# KiCad board power-module-simple-panel.kicad_pcb (continued)
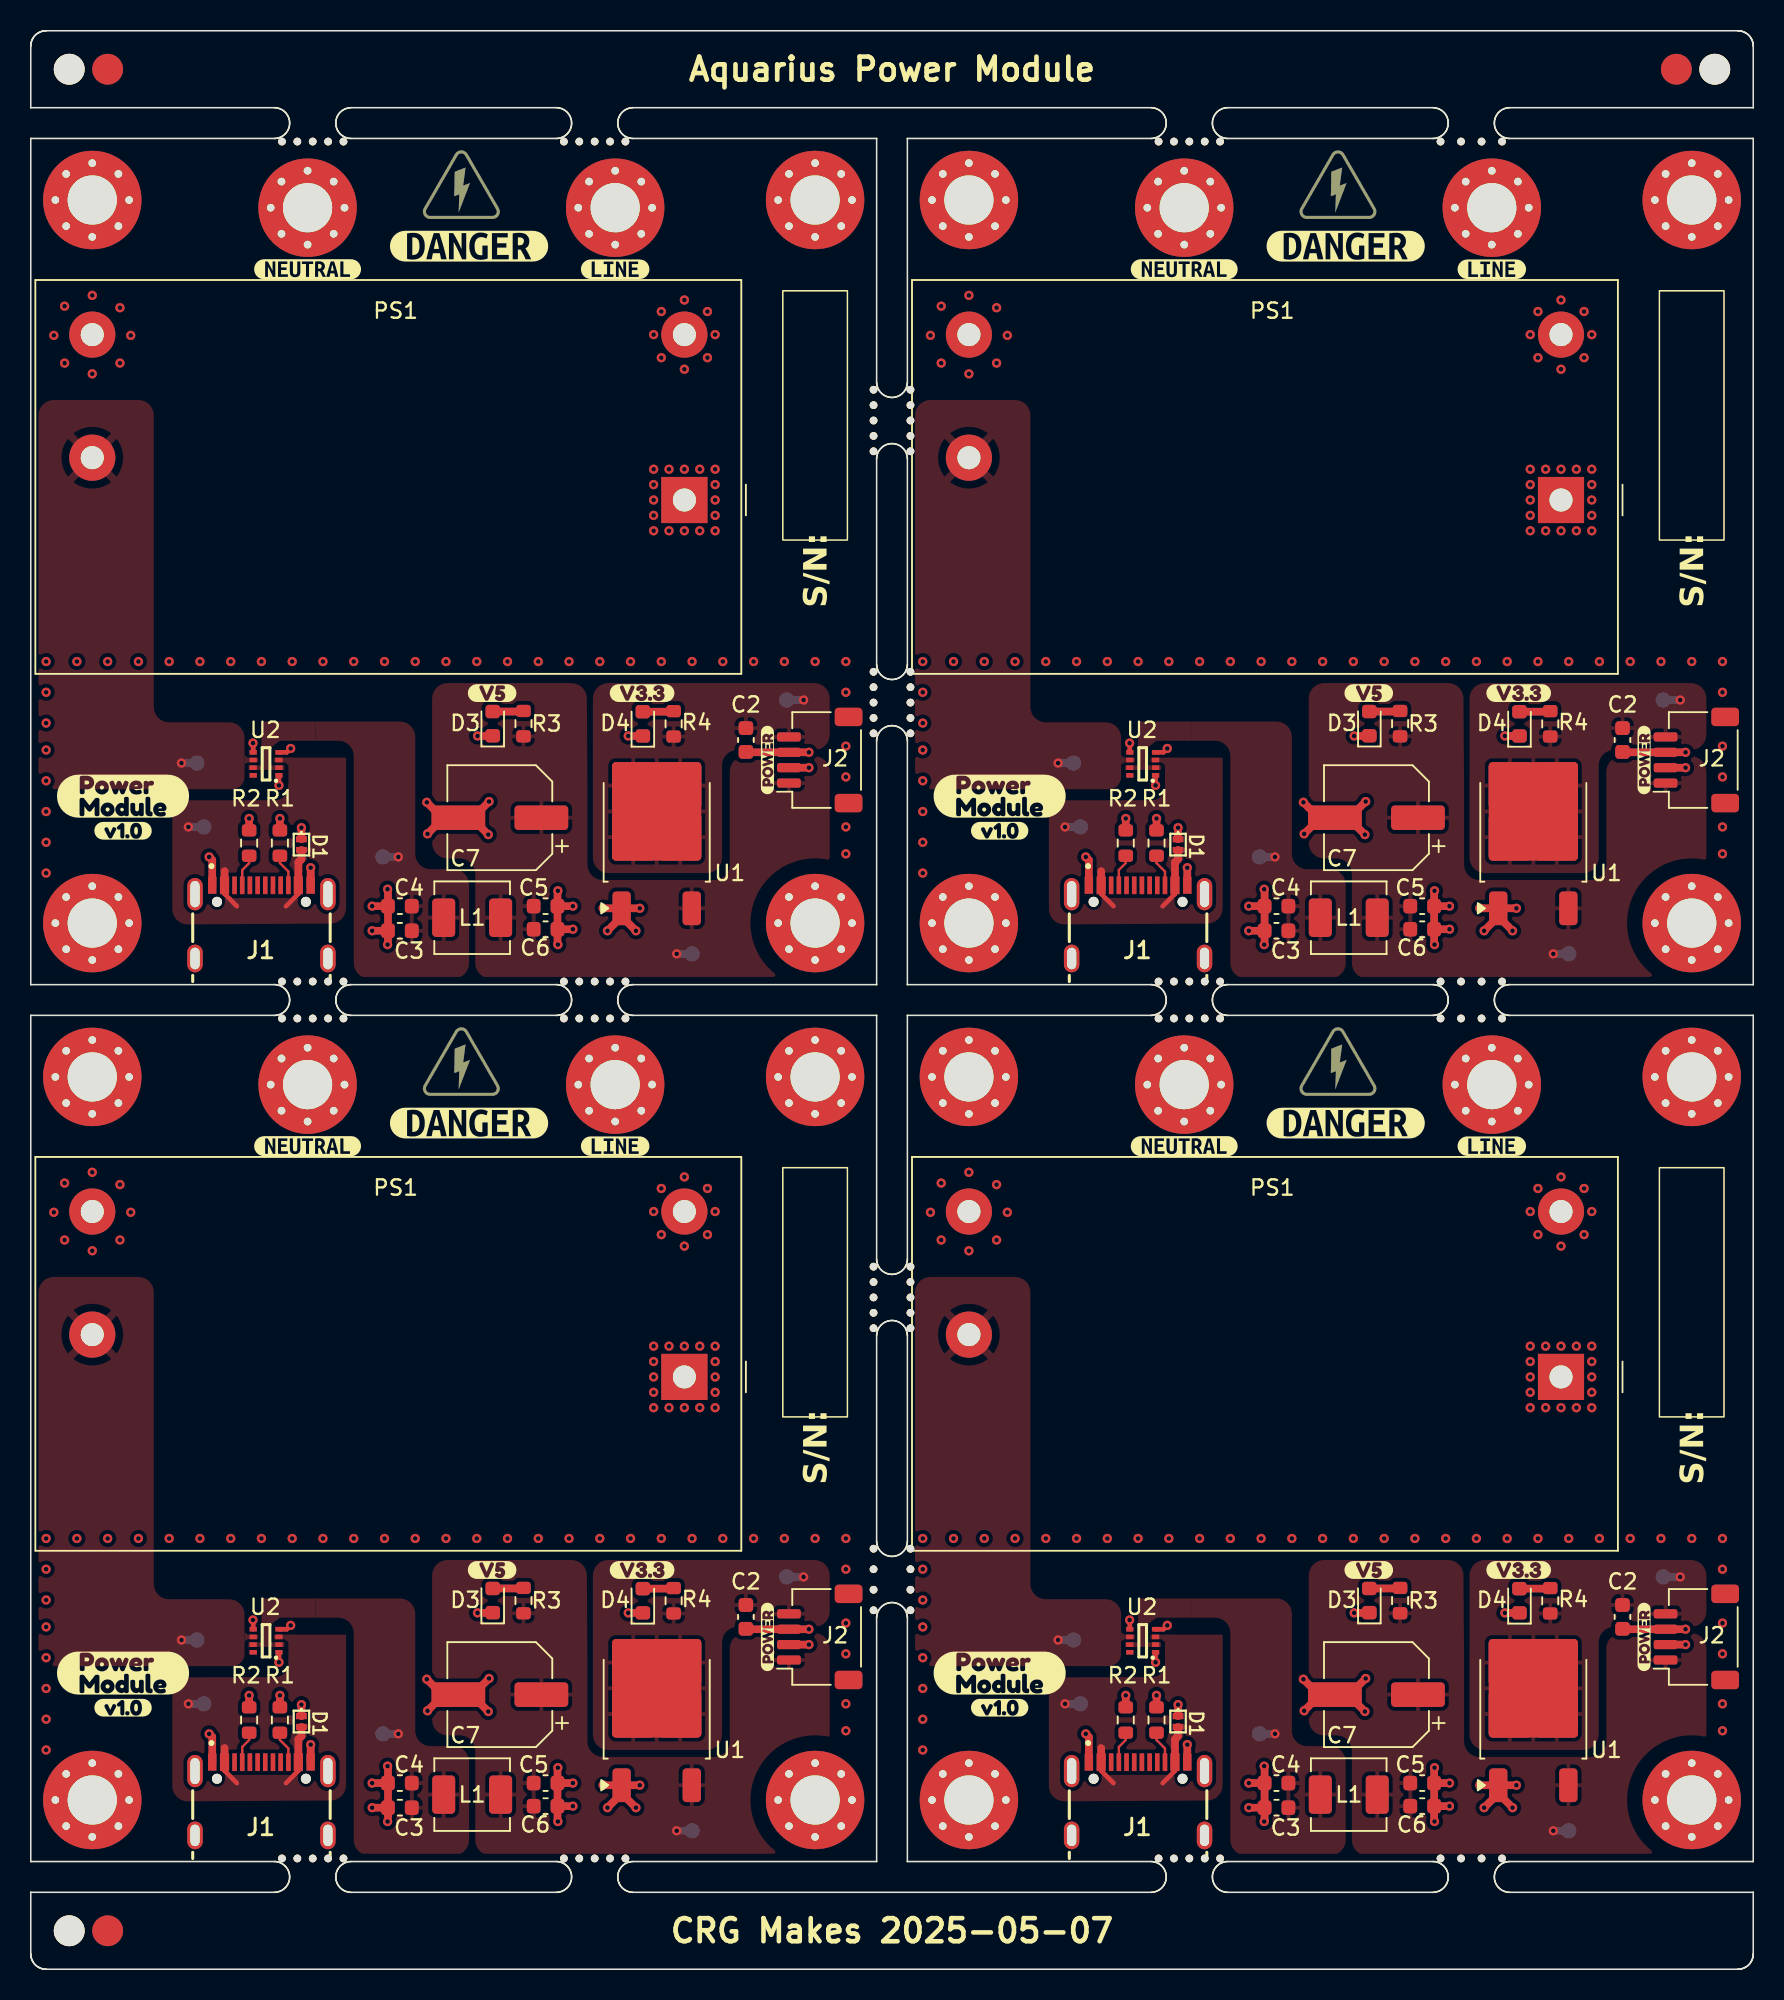
[diagram p0: board, top side]
## Placement (name value [footprint] x y rotation side) (continued)
LOGO1#2  ~  [FNWW Face 10mm]  33.35 37.76 180 bottom
LOGO1#3  ~  [FNWW Face 10mm]  33.35 94.76 180 bottom
LOGO1#4  ~  [FNWW Face 10mm]  90.35 37.76 180 bottom
LOGO2  Logo_Open_Hardware_Small  [OSHW-Logo_5.7x6mm_SilkScreen]  10 88.25 180 bottom
LOGO2#2  Logo_Open_Hardware_Small  [OSHW-Logo_5.7x6mm_SilkScreen]  10 31.25 180 bottom
LOGO2#3  Logo_Open_Hardware_Small  [OSHW-Logo_5.7x6mm_SilkScreen]  67 88.25 180 bottom
LOGO2#4  Logo_Open_Hardware_Small  [OSHW-Logo_5.7x6mm_SilkScreen]  67 31.25 180 bottom
LOGO3  ~  [Aquarius Logo 10mm]  80.01 37.32 180 bottom
LOGO3#2  ~  [Aquarius Logo 10mm]  23.01 37.32 180 bottom
LOGO3#3  ~  [Aquarius Logo 10mm]  23.01 94.32 180 bottom
LOGO3#4  ~  [Aquarius Logo 10mm]  80.01 94.32 180 bottom
PS1  IRM-10-5  [Converter_ACDC_MeanWell_IRM-10-xx_THT]  42.5 95.5 180 top
PS1#2  IRM-10-5  [Converter_ACDC_MeanWell_IRM-10-xx_THT]  42.5 38.5 180 top
PS1#3  IRM-10-5  [Converter_ACDC_MeanWell_IRM-10-xx_THT]  99.5 95.5 180 top
PS1#4  IRM-10-5  [Converter_ACDC_MeanWell_IRM-10-xx_THT]  99.5 38.5 180 top
R1  5.1K  [R_0603_1608Metric]  73.2 73.2 90 top
R1#2  5.1K  [R_0603_1608Metric]  73.2 16.2 90 top
R1#3  5.1K  [R_0603_1608Metric]  16.2 16.2 90 top
R1#4  5.1K  [R_0603_1608Metric]  16.2 73.2 90 top
R2  5.1K  [R_0603_1608Metric]  14.2 16.2 90 top
R2#2  5.1K  [R_0603_1608Metric]  71.2 16.2 90 top
R2#3  5.1K  [R_0603_1608Metric]  71.2 73.2 90 top
R2#4  5.1K  [R_0603_1608Metric]  14.2 73.2 90 top
R3  4.7k  [R_0603_1608Metric]  32.04 80.96 90 top
R3#2  4.7k  [R_0603_1608Metric]  89.04 80.96 90 top
R3#3  4.7k  [R_0603_1608Metric]  32.04 23.96 90 top
R3#4  4.7k  [R_0603_1608Metric]  89.04 23.96 90 top
R4  1k  [R_0603_1608Metric]  98.8 80.95 90 top
R4#2  1k  [R_0603_1608Metric]  41.8 80.95 90 top
R4#3  1k  [R_0603_1608Metric]  98.8 23.95 90 top
R4#4  1k  [R_0603_1608Metric]  41.8 23.95 90 top
S1  ~  [HIGH-VOLTAGE-5MM]  28 59 180 bottom
S1#2  ~  [HIGH-VOLTAGE-5MM]  28 116 180 bottom
S1#3  ~  [HIGH-VOLTAGE-5MM]  85 59 180 bottom
S1#4  ~  [HIGH-VOLTAGE-5MM]  85 116 180 bottom
S2  ~  [HIGH-VOLTAGE-5MM]  85 59 0 top
S2#2  ~  [HIGH-VOLTAGE-5MM]  28 116 0 top
S2#3  ~  [HIGH-VOLTAGE-5MM]  28 59 0 top
S2#4  ~  [HIGH-VOLTAGE-5MM]  85 116 0 top
TP1  V5  [TestPoint_Pad_D1.0mm]  43 66 180 bottom
TP1#2  V5  [TestPoint_Pad_D1.0mm]  100 9 180 bottom
TP1#3  V5  [TestPoint_Pad_D1.0mm]  43 9 180 bottom
TP1#4  V5  [TestPoint_Pad_D1.0mm]  100 66 180 bottom
TP2  RAW_5V  [TestPoint_Pad_D1.0mm]  22.9 72.3 180 bottom
TP2#2  RAW_5V  [TestPoint_Pad_D1.0mm]  79.9 15.3 180 bottom
TP2#3  RAW_5V  [TestPoint_Pad_D1.0mm]  22.9 15.3 180 bottom
TP2#4  RAW_5V  [TestPoint_Pad_D1.0mm]  79.9 72.3 180 bottom
TP3  V33  [TestPoint_Pad_D1.0mm]  49.15 82.5 180 bottom
TP3#2  V33  [TestPoint_Pad_D1.0mm]  49.15 25.5 180 bottom
TP3#3  V33  [TestPoint_Pad_D1.0mm]  106.15 82.5 180 bottom
TP3#4  V33  [TestPoint_Pad_D1.0mm]  106.15 25.5 180 bottom
TP4  LINE_5V  [TestPoint_Pad_D1.0mm]  67.8 21.4 180 bottom
TP4#2  LINE_5V  [TestPoint_Pad_D1.0mm]  10.8 21.4 180 bottom
TP4#3  LINE_5V  [TestPoint_Pad_D1.0mm]  10.8 78.4 180 bottom
TP4#4  LINE_5V  [TestPoint_Pad_D1.0mm]  67.8 78.4 180 bottom
TP5  USB_5V  [TestPoint_Pad_D1.0mm]  11.25 17.25 180 bottom
TP5#2  USB_5V  [TestPoint_Pad_D1.0mm]  68.25 17.25 180 bottom
TP5#3  USB_5V  [TestPoint_Pad_D1.0mm]  68.25 74.25 180 bottom
TP5#4  USB_5V  [TestPoint_Pad_D1.0mm]  11.25 74.25 180 bottom
U1  AZ1084-3.3  [TO-252-2]  97.7 74 90 top
U1#2  AZ1084-3.3  [TO-252-2]  40.7 17 90 top
U1#3  AZ1084-3.3  [TO-252-2]  40.7 74 90 top
U1#4  AZ1084-3.3  [TO-252-2]  97.7 17 90 top
U2  LM66200DRLR  [SOTFL50P160X60-8N]  72.3 21.35 180 top
U2#2  LM66200DRLR  [SOTFL50P160X60-8N]  15.3 78.35 180 top
U2#3  LM66200DRLR  [SOTFL50P160X60-8N]  15.3 21.35 180 top
U2#4  LM66200DRLR  [SOTFL50P160X60-8N]  72.3 78.35 180 top

## Library data of the parts
C2 C2#2-C2#4 = -: Datasheet: https://www.mouser.com/datasheet/2/585/MLCC-1837944.pdf; Description: CAP CER 22UF 16V X5R 0603; MF: Samsung; MPN: CL10A226MO7JZNC; LCSC: C2762594; Digikey: 1276-7076-2-ND; Mouser: 187-CL10A226MO7JZNC
C3 C3#2-C3#4 C4 C4#2-C4#4 C5 C5#2-C5#4 C6 C6#2-C6#4 = -: Datasheet: https://mm.digikey.com/Volume0/opasdata/d220001/medias/docus/43/CL10A106MO8NQNC_Spec.pdf; Description: CAP CER 10UF 16V X5R 0603; MF: Samsung; MPN: CL10A106MO8NQNC; LCSC: C92487; Digikey: 1276-1870-2-ND; Mouser: 187-CL10A106MO8NQNC
C7 C7#2-C7#4 = -: Datasheet: https://www.nichicon.co.jp/english/series_items/catalog_pdf/e-uwt.pdf; Description: 100uF 35V ±20% SMD,D6.3xL7.7mm Aluminum Electrolytic Capacitors; JLCPCB: C3339; LCSC: C3339; Mouser: 647-UWT1V101MCL1S; Digikey: 493-2203-2-ND; Notes: 35V/Aluminum
D1 D1#2-D1#4 = -: Datasheet: https://assets.nexperia.com/documents/data-sheet/PESD5V5C1BL.pdf; Description: TVS DIODE Vrwm=5.5v Vcl=5.4v Ippm=6.5A DFN10062; LCSC: C2827636; Mouser: 771-PESD5V5C1BLYL; Digikey: 1727-PESD5V5C1BLYLTR-ND; MN: Nexperia; MPN: PESD5V5C1BLYL
D3 D3#2-D3#4 D4 D4#2-D4#4 = -: Datasheet: https://optoelectronics.liteon.com/upload/download/DS22-2000-228/LTST-C191KGKT.PDF; Description: LED GREEN CLEAR SMD 2V; MN: XINGLIGHT; MPN: XL-1608UGC-04; Mouser: 859-LTST-C191KGKT; Digikey: 160-1446-2-ND; LCSC: C965804
H1 H1#2-H1#4 H2 H2#2-H2#4 = -: Description: Mounting Hole with connection
H3 H3#2-H3#4 H4 H4#2-H4#4 H5 H5#2-H5#4 H6 H6#2-H6#4 = -: Description: Mounting Hole without connection
J1 J1#2-J1#4 = -: Datasheet: https://www.usb.org/sites/default/files/documents/usb_type-c.zip; Description: USB Power-Only 6P Type-C Receptacle connector; LCSC: C165948; MN: GTC; MPN: USB4105-GF-A-060; Mouser: 640-USB4105-GF-A-060; Digikey: 2073-USB4105-GF-A-060TR-ND
J2 J2#2-J2#4 = -: Description: JST SH 1.0mm 4 Position; MN: JST; MPN: SM04B-SRSS-TB; LCSC: C2763614
L1 L1#2-L1#4 = -: Datasheet: https://jlcpcb.com/api/file/downloadByFileSystemAccessId/8552174640249257984; Description: 4.5A 2.2uH ±20% 5A SMD,4.4x4.2mm Power Inductors; MN: Sunlord; MPN: MWSA0402S-2R2MT; JLCPCB: C408335; LCSC: C408335; Mouser: 673-PA4332222NLT; Digikey: 553-3290-2-ND
LOGO2 LOGO2#2-LOGO2#4 = -: Description: Open Hardware logo, small; Sim.Enable: 0
PS1 PS1#2-PS1#4 = -: Datasheet: https://www.meanwell.com/Upload/PDF/IRM-10/IRM-10-SPEC.PDF; Description: 5V, 2A, 10W, Isolated, AC-DC, 222A(IRM10); LCSC: C2857903; Mouser: 709-IRM10-5; Digikey: 1866-3032-ND; MN: Meanwell
R1 R1#2-R1#4 R2 R2#2-R2#4 = -: Datasheet: https://jlcpcb.com/api/file/downloadByFileSystemAccessId/8589837035717488640; Description: 100mW Thick Film Resistors 75V ±100ppm/℃ ±5% 5.1kΩ 0603 Chip Resistor; MF: FOJAN; MPN: FRC0603J512 TS; LCSC: C2907114
R3 R3#2-R3#4 = -: Datasheet: https://www.vishay.com/docs/28773/crcwce3.pdf; Description: Thick Film Resistors - SMD 1/10Watt 4.7Kohms 5% Commercial Use; MN: FOJAN; MPN: FRC0603J472 TS; Mouser: 71-CRCW06034K70JNEAC; Digikey: 541-3993-2-ND; LCSC: C2907166
R4 R4#2-R4#4 = -: Datasheet: https://www.vishay.com/docs/20035/dcrcwe3.pdf; Description: Thick Film Resistors - SMD 1/10watt 1.0Kohms 1%; MN: Vishay; MPN: CRCW06031K00FKEA; Mouser: 71-CRCW0603-1.0K-E3; Digikey: 541-1.00KHTR-ND; LCSC: C2907113
TP1 TP1#2-TP1#4 TP2 TP2#2-TP2#4 TP3 TP3#2-TP3#4 TP4 TP4#2-TP4#4 TP5 TP5#2-TP5#4 = -: Description: test point
U1 U1#2-U1#4 = -: Datasheet: https://www.diodes.com/assets/Datasheets/AZ1084.pdf; Description: 5A 12V Fixed LDO Linear Regulator, 1.5V, TO-220/TO-252/TO-263; MN: Diodes Incorporated; MPN: AZ1084CD-3.3TRG1; Mouser: 621-AZ1084CD-3.3TRG1; Digikey: AZ1084CD-3.3TRG1DITR-ND; LCSC: C151391
U2 U2#2-U2#4 = -: Datasheet: https://www.ti.com/lit/gpn/lm66200; Description: 1.6-V to 5.5-V, 40-m, 2.5-A, low-IQ, dual ideal diode; MN: Texas Instruments; Height: 0.6; Mouser: 595-LM66200DRLR; Digikey: 296-LM66200DRLRTR-ND; LCSC: C3235556

## Footprints (pads in the part's own frame, mm; a bottom-side part is the same pattern mirrored in y, then rotated)
C_0603_1608Metric
  rrect 0.9x0.95 smd: 1(-0.775,0) 2(0.775,0)
Converter_ACDC_MeanWell_IRM-10-xx_THT
  rect 3x3 hole 1.5: 1(0,0)
  round 3 hole 1.5: 2(0,-10.75) 3(38.5,-10.75) 4(38.5,-2.75)
CP_Elec_6.3x7.7
  rrect 3.5x1.6 smd: 1(-2.7,0) 2(2.7,0)
DFN1006-2
  rect 0.4x0.7 smd: 1(-0.35,0) 2(0.35,0)
Fiducial
  round 2 smd: (0,0)
GCT_USB4105-GF-A
  round 0.65 hole 0.65 unplated: (-2.89,3.68) (2.89,3.68)
  rect 0.55x1.1 smd: A1_B12(-3.2,4.755) B1_A12(3.2,4.755)
  rect 0.6x1.15 smd: A4_B9(-2.4,4.755) B4_A9(2.4,4.755)
  rect 0.3x1.15 smd: A5(-1.25,4.755) A6(-0.25,4.755) A7(0.25,4.755) A8(1.25,4.755) B5(1.75,4.755) B6(0.75,4.755) B7(-0.75,4.755) B8(-1.75,4.755)
  oval 1x2.1 hole 0.6x1.7: S1(-4.32,4.18) S1(4.32,4.18)
  oval 1x1.8 hole 0.6x1.4: S1(-4.32,0) S1(4.32,0)
JST_SH_SM04B-SRSS-TB_1x04-1MP_P1.00mm_Horizontal
  rrect 0.6x1.55 smd: 1(-1.5,2) 2(-0.5,2) 3(0.5,2) 4(1.5,2)
  rrect 1.2x1.8 smd: MP(-2.8,-1.875) MP(2.8,-1.875)
L_Sunlord_MWSA0402S
  rrect 1.5x2.5 smd: 1(-1.85,0) 2(1.85,0)
LED_0603_1608Metric
  rrect 0.875x0.95 smd: 1(-0.787,0) 2(0.787,0)
MountingHole_3.2mm_M3_Pad_Via
  round 0.8 hole 0.5: 1(-2.4,0) 1(-1.697,1.697) 1(-1.697,-1.697) 1(0,2.4) 1(0,-2.4) 1(1.697,1.697) 1(1.697,-1.697) 1(2.4,0)
  round 6.4 hole 3.2: 1(0,0)
NPTH
  round 0.5 hole 0.5 unplated: (0,0)
NPTH#2
  round 2 hole 2 unplated: (0,0)
R_0603_1608Metric
  rrect 0.8x0.95 smd: 1(-0.825,0) 2(0.825,0)
SOTFL50P160X60-8N
  rect 0.475x0.3 smd: 1(-0.838,0.75) 2(-0.838,0.25) 3(-0.838,-0.25) 4(-0.838,-0.75) 5(0.838,-0.75) 6(0.838,-0.25) 7(0.838,0.25) 8(0.838,0.75)
TestPoint_Pad_D1.0mm
  round 1 smd: 1(0,0)
TO-252-2
  rrect 2.2x1.2 smd: 1(-5.04,2.28) 3(-5.04,-2.28)
  rrect 3.05x2.75 smd: 2(-0.415,1.525) 2(-0.415,-1.525) 2(2.935,1.525) 2(2.935,-1.525)
  rrect 6.4x5.8 smd: 2(1.26,0)

## Nets
Board_0-/V5LED: D3.2
Board_1-/V3.3LED: R4.2
Board_2-/V3.3LED: D4#2.2
Board_2-/V5LED: D3#3.2 R3#3.2
Board_3-/V3.3LED: D4#3.2 R4#3.2
Board_3-/V5LED: D3#2.2 R3#4.2
Board_0-GND: C4.2 D3.1
Board_0-RAW_5V: C4.1
Board_0-USB_5V: D1#2.2 J1.A4_B9 J1.B4_A9 TP5#4.1 U2#2.3
Board_1-+3.3V: U1.2
Board_1-+5V: C7.1 U1.3
Board_1-/CC2: R1.1
Board_1-GND: C2#2.2 C3.2 C5#2.2 C7.2 D1.1 R1.2 U1.1
Board_1-RAW_5V: C3.1
Board_1-USB_5V: D1.2
Board_2-+3.3V: J2.4 U1#2.2
Board_2-+5V: C7#2.1 J2.1 U1#2.3
Board_2-/AC_L: PS1#2.2
Board_2-/AC_N: PS1#2.1
Board_2-/CC1: R2.1
Board_2-GND: C2#3.2 C7#2.2 D1#4.1 D3#3.1 D4#2.1 J1#2.A1_B12 J1#2.B1_A12 J1#2.S1 J2.2 J2.3 PS1#2.3 R2.2 U1#2.1 U2#3.1 U2#3.4 U2#3.5
Board_2-LINE_5V: PS1#2.4 U2#3.6
Board_2-RAW_5V: C3#4.1 C4#4.1 L1#3.1 TP2#3.1 U2#3.2 U2#3.7
Board_2-unconnected-(U2-ST-Pad8): U2#3.8
Board_2-USB_5V: D1#4.2 J1#2.A4_B9 J1#2.B4_A9 TP5.1 U2#3.3
Board_3-+3.3V: C2.1 J2#4.4 R4#3.1 TP3#4.1 U1#4.2
Board_3-+5V: C5.1 C6.1 C7#3.1 J2#4.1 L1#2.2 R3#4.1 TP1#2.1 U1#4.3
Board_3-/AC_L: H1#2.1 PS1#4.2
Board_3-/AC_N: H2#3.1 PS1#4.1
Board_3-/CC1: J1#4.A5 R2#2.1
Board_3-/CC2: J1#4.B5 R1#2.1
Board_3-GND: C2.2 C3#2.2 C4#2.2 C5.2 C6.2 C7#3.2 D1#3.1 D3#2.1 D4#3.1 J1#4.A1_B12 J1#4.B1_A12 J1#4.S1 J2#4.2 J2#4.3 PS1#4.3 R1#2.2 R2#2.2 U1#4.1 U2.1 U2.4 U2.5
Board_3-LINE_5V: PS1#4.4 TP4.1 U2.6
Board_3-RAW_5V: C3#2.1 C4#2.1 L1#2.1 TP2#2.1 U2.2 U2.7
Board_3-unconnected-(U2-ST-Pad8): U2.8
Board_3-USB_5V: D1#3.2 J1#4.A4_B9 J1#4.B4_A9 TP5#2.1 U2.3

Pads without a net: C2#2 1; C2#3 1; C2#4 1 2; C3#3 1 2; C3#4 2; C4#3 1 2; C4#4 2; C5#2 1; C5#3 1 2; C5#4 1 2; C6#2 1 2; C6#3 1 2; C6#4 1 2; C7#4 1 2; D1#2 1; D3#4 1 2; D4 1 2; D4#4 1 2; H1 1; H1#3 1; H1#4 1; H2 1; H2#2 1; H2#4 1; H3 1; H3#2 1; H3#3 1; H3#4 1; H4 1; H4#2 1; H4#3 1; H4#4 1; H5 1; H5#2 1; H5#3 1; H5#4 1; H6 1; H6#2 1; H6#3 1; H6#4 1; J1 A1_B12 A5 A6 A7 A8 B1_A12 B5 B6 B7 B8 S1; J1#2 A5 A6 A7 A8 B5 B6 B7 B8; J1#3 A1_B12 A4_B9 A5 A6 A7 A8 B1_A12 B4_A9 B5 B6 B7 B8 S1; J1#4 A6 A7 A8 B6 B7 B8; J2 MP; J2#2 1 2 3 4 MP; J2#3 1 2 3 4 MP; J2#4 MP; L1 1 2; L1#3 2; L1#4 1 2; PS1 1 2 3 4; PS1#3 1 2 3 4; R1#3 1 2; R1#4 1 2; R2#3 1 2; R2#4 1 2; R3 1 2; R3#2 1 2; R3#3 1; R4 1; R4#2 1 2; R4#4 1 2; TP1 1; TP1#3 1; TP1#4 1; TP2 1; TP2#4 1; TP3 1; TP3#2 1; TP3#3 1; TP4#2 1; TP4#3 1; TP4#4 1; TP5#3 1; U1#3 1 2 3; U2#2 1 2 4 5 6 7 8; U2#4 1 2 3 4 5 6 7 8

## Via types
v1: diameter 0.6, hole 0.3, Top to Bottom, 416 vias

## Routing (per net, layer and track width the routed paths; a pad name or vN(x,y) marks a point on that pad's centre or on a via; arc(x,y) is an arc through that point)
Board_0-/V5LED: length 2
  Top w0.5: 32.04,81.79 32,81.75 D3.2
  vias: v1(40.5,106.25) v1(41,107.75) v1(41,104.75) v1(42.5,108.5) v1(42.5,104) v1(44,107.75) v1(44,104.75) v1(44.5,106.25)
Board_1-/V3.3LED: length 2
  Top w0.5: 96.8,81.74 98.76,81.74 R4.2
  vias: v1(97.5,97.5) v1(97.5,96.5) v1(97.5,95.5) v1(97.5,94.5) v1(97.5,93.5) v1(98.5,97.5) v1(98.5,93.5) v1(99.5,97.5) v1(99.5,93.5) v1(100.5,97.5) v1(100.5,93.5) v1(101.5,97.5) v1(101.5,96.5) v1(101.5,95.5) v1(101.5,94.5) v1(101.5,93.5)
Board_2-/V3.3LED: length 2
  Top w0.5: 41.8,24.78 41.76,24.74 D4#2.2
  vias: v1(40.5,40.5) v1(40.5,39.5) v1(40.5,38.5) v1(40.5,37.5) v1(40.5,36.5) v1(41.5,40.5) v1(41.5,36.5) v1(42.5,40.5) v1(42.5,36.5) v1(43.5,40.5) v1(43.5,36.5) v1(44.5,40.5) v1(44.5,39.5) v1(44.5,38.5) v1(44.5,37.5) v1(44.5,36.5)
Board_2-/V5LED: length 4.2
  Top w0.152: 16.75,13.46 16.75,14.35 16.2,14.9 16.2,15.38
  Top w0.5: D3#3.2 32,24.75 R3#3.2
Board_3-/V3.3LED: length 2
  Top w0.5: D4#3.2 98.76,24.74 R4#3.2
Board_3-/V5LED: length 3
  Top w0.5: D3#2.2 89,24.75 R3#4.2
  Bottom w0.5: 22.9,72.3 v1(23.9,72.3)
(no net):
  vias: v1(58,28) v1(58,26) v1(58,24) v1(58,22.25) v1(58,20.25) v1(58,18.25) v1(58,16.25) v1(58,14.25) v1(58.5,49.2) v1(59.2,51.1) v1(59.2,47.4) v1(60,28) v1(61,51.8) v1(61,46.7) v1(62,28) v1(62.8,51) v1(62.8,47.4) v1(63.5,49.2) v1(64,28) v1(66,28) v1(68,28) v1(70,28) v1(72,28) v1(74,28) v1(76,28) v1(78,28) v1(80,28) v1(82,28) v1(84,28) v1(86,28) v1(88,28) v1(90,28) v1(92,28) v1(94,28) v1(96,28) v1(97.5,49.25) v1(97.5,40.5) v1(97.5,39.5) v1(97.5,38.5) v1(97.5,37.5) v1(97.5,36.5) v1(98,50.75) v1(98,47.75) v1(98,28) v1(98.5,40.5) v1(98.5,36.5) v1(99.5,51.5) v1(99.5,47) v1(99.5,40.5) v1(99.5,36.5) v1(100,28) v1(100.5,40.5) v1(100.5,36.5) v1(101,50.75) v1(101,47.75) v1(101.5,49.25) v1(101.5,40.5) v1(101.5,39.5) v1(101.5,38.5) v1(101.5,37.5) v1(101.5,36.5) v1(102,28) v1(104,28) v1(106,28) v1(108,28) v1(110,28) v1(110,26) v1(110,22.5) v1(110,20.5) v1(110,17.25) v1(110,15.5)
Board_0-GND: length 7.7
  Top w0.5: C4.2 v1(22.2,69.1) ; C4.2 23.22,67.5 ; C4.2 23.22,70.18 v1(23.2,70.2) ; v1(29.05,80.16) 30.03,80.16 D3.1 ; v1(23.2,66.6) 23.22,66.63 23.22,67.5 ; 23.22,67.5 v1(22.2,67.5)
  Bottom w0.5: 43,66 v1(42,66)
Board_0-RAW_5V: length 1.1
  Bottom w0.5: 49.15,82.5 v1(50.25,82.5)
Board_0-USB_5V: length 7.8
  Top w0.3: 13.4,69.1 12.6,69.9 J1.A4_B9 ; 16.6,69.1 17.4,69.9 J1.B4_A9
  Top w0.5: D1#2.2 17.6,72.15 17.4,71.95 17.4,70.39
  Top w0.508: 12.6,70.39 12.6,71.37
  Bottom w0.5: TP5#4.1 v1(10.25,74.25)
Board_1-+3.3V: length 2.1
  Top w0.152: 13.75,70.46 13.75,71.45 14.2,71.9 14.2,72.38
Board_1-+5V: length 2.1
  Top w0.152: 16.75,70.46 16.75,71.35 16.2,71.9 16.2,72.38
Board_1-/CC2: length 3.2
  Top w0.152: 73.75,70.46 73.75,71.35 73.2,71.9 R1.1
  Bottom w0.5: 106.15,82.5 v1(107.25,82.5)
Board_1-GND: length 32.7
  Top w0.5: v1(96.6,68.96) U1.1 ; U1.1 94.23,68.96 v1(94.22,68.97) ; U1.1 95.42,68.42 v1(94.5,67.5) ; U1.1 95.42,68.43 v1(96.35,67.5) ; v1(92.25,67.6) 92.28,67.6 91.25,67.6 ; C2#2.2 103.53,79.1 106.3,79.1 v1(107.6,79.1) ; v1(80.2,70.2) 80.22,70.18 80.22,69.1 ; C5#2.2 91.25,70.08 ; C5#2.2 92.28,69.1 v1(92.25,69.1) ; C5#2.2 91.25,67.6 ; 80.22,69.1 C3.2 ; 80.22,69.1 v1(79.2,69.1) ; v1(86.75,73.75) 85.65,74.85 C7.2 ; C7.2 83.75,74.85 v1(82.75,75.85) ; C7.2 85.75,74.85 v1(86.8,75.9) ; C7.2 83.85,74.85 v1(82.8,73.8) ; v1(91.28,66.6) 91.25,66.63 91.25,67.6 ; C3.2 v1(79.2,67.5) ; C3.2 80.22,66.63 v1(80.2,66.6) ; R1.2 v1(73.2,74.8) ; D1.1 v1(74.6,74.2)
  vias: v1(40.5,97.5) v1(40.5,96.5) v1(40.5,95.5) v1(40.5,94.5) v1(40.5,93.5) v1(41.5,97.5) v1(41.5,93.5) v1(42.5,97.5) v1(42.5,93.5) v1(43.5,97.5) v1(43.5,93.5) v1(44.5,97.5) v1(44.5,96.5) v1(44.5,95.5) v1(44.5,94.5) v1(44.5,93.5) v1(91.28,70.1)
Board_1-USB_5V: length 13.5
  Top w0.3: v1(73.14,76.95) 73.14,77.6 ; 73.14,79.1 73.65,79.1 v1(73.9,79.35) ; 73.6,69.1 74.4,69.9 74.4,70.46 ; 71.46,79.1 71.46,79.69
  Top w0.5: 74.4,70.39 74.4,71.95 74.6,72.15 D1.2 ; 71.2,74.03 v1(71.2,74.8) ; v1(86.05,80.16) 87.03,80.16 87.04,80.18 ; 75.2,70.39 v1(75.2,71.6) ; 106.3,78.1 v1(107.6,78.1) ; 68.8,70.39 68.8,72.1 v1(68.6,72.3) ; 71.46,79.69 v1(71.45,79.7) ; v1(95.85,80.16) 96.8,80.16
  vias: v1(58,85) v1(58,83) v1(58,81) v1(58,79.25) v1(58,77.25) v1(58,75.25) v1(58,73.25) v1(58,71.25) v1(58.5,106.2) v1(59.2,108.1) v1(59.2,104.4) v1(60,85) v1(61,108.8) v1(61,103.7) v1(62,85) v1(62.8,108) v1(62.8,104.4) v1(63.5,106.2) v1(64,85) v1(66,85) v1(68,85) v1(70,85) v1(72,85) v1(74,85) v1(76,85) v1(78,85) v1(80,85) v1(82,85) v1(84,85) v1(86,85) v1(88,85) v1(90,85) v1(92,85) v1(94,85) v1(96,85) v1(98,85) v1(100,85) v1(102,85) v1(104,85) v1(106,85) v1(108,85) v1(110,85) v1(110,83) v1(110,79.5) v1(110,77.5) v1(110,74.25) v1(110,72.5)
Board_2-+5V: length 35.4
  Top w0.3: 14.46,79.1 14.46,79.69 ; 16.14,79.1 16.65,79.1 v1(16.9,79.35) ; v1(16.14,76.95) 16.14,77.6
  Top w0.5: 14.2,74.03 v1(14.2,74.8) ; 14.46,79.69 v1(14.45,79.7) ; v1(25.8,73.8) 26.85,74.85 27.8,74.85 ; 18.2,70.39 v1(18.2,71.6) ; 34.25,69.1 35.28,69.1 v1(35.25,69.1) ; 34.25,69.1 34.25,67.6 ; 34.25,69.1 34.25,70.08 ; 34.25,67.6 34.25,66.63 v1(34.28,66.6) ; 34.25,67.6 35.28,67.6 v1(35.25,67.6) ; 17.6,73.45 v1(17.6,74.2) ; v1(39.35,67.5) 38.42,68.43 38.42,68.96 ; v1(39.6,68.96) 38.42,68.96 ; 38.42,68.96 37.23,68.96 v1(37.22,68.97) ; 38.42,68.96 38.42,68.42 v1(37.5,67.5) ; 27.8,74.85 26.75,74.85 v1(25.75,75.85) ; 27.8,74.85 28.65,74.85 v1(29.75,73.75) ; 27.8,74.85 28.75,74.85 v1(29.8,75.9) ; 11.8,70.39 11.8,72.1 v1(11.6,72.3) ; 46.5,79.13 46.53,79.1 49.3,79.1 v1(50.6,79.1) ; 49.3,78.1 v1(50.6,78.1) ; 16.2,74.03 v1(16.2,74.8) ; v1(38.85,80.16) 39.8,80.16
  vias: v1(1,85) v1(1,83) v1(1,81) v1(1,79.25) v1(1,77.25) v1(1,75.25) v1(1,73.25) v1(1,71.25) v1(1.5,106.2) v1(2.2,108.1) v1(2.2,104.4) v1(3,85) v1(4,108.8) v1(4,103.7) v1(5,85) v1(5.8,108) v1(5.8,104.4) v1(6.5,106.2) v1(7,85) v1(9,85) v1(11,85) v1(13,85) v1(15,85) v1(17,85) v1(19,85) v1(21,85) v1(23,85) v1(25,85) v1(27,85) v1(29,85) v1(31,85) v1(33,85) v1(34.28,70.1) v1(35,85) v1(37,85) v1(39,85) v1(41,85) v1(43,85) v1(45,85) v1(47,85) v1(49,85) v1(51,85) v1(53,85) v1(53,83) v1(53,79.5) v1(53,77.5) v1(53,74.25) v1(53,72.5)
Board_2-/AC_N: length 2.1
  Top w0.152: 71.2,72.38 71.2,71.9 70.75,71.45 70.75,70.46
Board_2-/CC1: length 3.1
  Top w0.152: 13.75,13.46 13.75,14.45 14.2,14.9 R2.1
  Bottom w0.5: 67.8,78.4 v1(66.8,78.4)
Board_2-GND: length 32
  Top w0.3: U2#3.4 16.65,22.1 v1(16.9,22.35) ; U2#3.5 14.46,22.69 ; v1(16.14,19.95) U2#3.1
  Top w0.5: 41.8,81.78 41.76,81.74 39.8,81.74 ; U1#2.1 38.42,11.42 v1(37.5,10.5) ; U1#2.1 37.23,11.96 v1(37.22,11.97) ; U1#2.1 38.42,11.43 v1(39.35,10.5) ; U1#2.1 v1(39.6,11.96) ; v1(38.85,23.16) D4#2.1 ; 14.46,22.69 v1(14.45,22.7) ; v1(25.75,18.85) 26.75,17.85 C7#2.2 ; 18.2,13.39 v1(18.2,14.6) ; v1(29.75,16.75) 28.65,17.85 C7#2.2 ; C7#2.2 26.85,17.85 v1(25.8,16.8) ; C7#2.2 28.75,17.85 v1(29.8,18.9) ; D3#3.1 30.03,23.16 v1(29.05,23.16) ; C2#3.2 46.53,22.1 J2.3 v1(50.6,22.1) ; D1#4.1 v1(17.6,17.2) ; R2.2 v1(14.2,17.8) ; 11.8,13.39 11.8,15.1 v1(11.6,15.3) ; J2.2 v1(50.6,21.1)
Board_2-RAW_5V: length 1
  Bottom w0.5: TP2#3.1 v1(23.9,15.3)
Board_2-unconnected-(U2-ST-Pad8): length 12
  Top w0.5: 34.25,10.6 34.25,9.63 v1(34.28,9.6) ; 34.25,10.6 35.28,10.6 v1(35.25,10.6) ; 34.25,10.6 34.25,12.1 ; 23.22,10.5 v1(22.2,10.5) ; 23.22,10.5 23.22,12.1 ; 23.22,10.5 23.22,9.63 v1(23.2,9.6) ; 23.22,12.1 v1(22.2,12.1) ; 23.22,12.1 23.22,13.18 v1(23.2,13.2) ; v1(35.25,12.1) 35.28,12.1 34.25,12.1 ; 16.2,17.03 v1(16.2,17.8) ; 34.25,12.1 34.25,13.08
  vias: v1(1,28) v1(1,26) v1(1,24) v1(1,22.25) v1(1,20.25) v1(1,18.25) v1(1,16.25) v1(1,14.25) v1(1.5,49.2) v1(2.2,51.1) v1(2.2,47.4) v1(3,28) v1(4,51.8) v1(4,46.7) v1(5,28) v1(5.8,51) v1(5.8,47.4) v1(6.5,49.2) v1(7,28) v1(9,28) v1(11,28) v1(13,28) v1(15,28) v1(17,28) v1(19,28) v1(21,28) v1(23,28) v1(25,28) v1(27,28) v1(29,28) v1(31,28) v1(33,28) v1(34.28,13.1) v1(35,28) v1(37,28) v1(39,28) v1(41,28) v1(43,28) v1(45,28) v1(47,28) v1(49,28) v1(51,28) v1(53,28) v1(53,26) v1(53,22.5) v1(53,20.5) v1(53,17.25) v1(53,15.5)
Board_2-USB_5V: length 7.8
  Top w0.3: 16.6,12.1 17.4,12.9 J1#2.B4_A9 ; J1#2.A4_B9 12.6,12.9 13.4,12.1
  Top w0.5: 17.4,13.39 17.4,14.95 17.6,15.15 D1#4.2
  Top w0.508: 12.6,13.39 12.6,14.37
  Bottom w0.5: TP5.1 v1(10.25,17.25)
Board_3-+3.3V: length 2.1
  Bottom w0.5: 100,66 v1(99,66) ; TP3#4.1 v1(107.25,25.5)
Board_3-+5V: length 1
  Bottom w0.5: TP1#2.1 v1(99,9)
  vias: v1(97.5,106.25) v1(98,107.75) v1(98,104.75) v1(99.5,108.5) v1(99.5,104) v1(101,107.75) v1(101,104.75) v1(101.5,106.25)
Board_3-/AC_L: length 3.7
  Top w0.3: 70.4,69.1 69.6,69.9 69.6,70.46
  Top w0.508: 69.6,70.39 69.6,71.37
  Bottom w0.5: 68.25,74.25 v1(67.25,74.25)
Board_3-/AC_N: length 1
  Bottom w0.5: 10.8,21.4 v1(9.8,21.4)
Board_3-/CC1: length 2.1
  Top w0.152: J1#4.A5 70.75,14.45 71.2,14.9 R2#2.1
Board_3-/CC2: length 4.2
  Top w0.152: J1#4.B5 73.75,14.35 73.2,14.9 R1#2.1
  Top w0.5: 89.04,81.79 89,81.75 87.04,81.75
Board_3-GND: length 43
  Top w0.3: U2.5 71.46,22.69 ; v1(73.14,19.95) U2.1 ; U2.4 73.65,22.1 v1(73.9,22.35)
  Top w0.5: C7#3.2 83.75,17.85 v1(82.75,18.85) ; C7#3.2 85.65,17.85 v1(86.75,16.75) ; C7#3.2 83.85,17.85 v1(82.8,16.8) ; C7#3.2 85.75,17.85 v1(86.8,18.9) ; U1#4.1 95.42,11.42 v1(94.5,10.5) ; U1#4.1 95.42,11.43 v1(96.35,10.5) ; U1#4.1 v1(96.6,11.96) ; U1#4.1 94.23,11.96 v1(94.22,11.97) ; D1#3.1 v1(74.6,17.2) ; 75.2,13.39 v1(75.2,14.6) ; J2#4.2 v1(107.6,21.1) ; v1(92.25,12.1) 92.28,12.1 C5.2 ; v1(92.25,10.6) 92.28,10.6 C6.2 ; v1(95.85,23.16) D4#3.1 ; C3#2.2 80.22,9.63 v1(80.2,9.6) ; C3#2.2 v1(79.2,10.5) ; C3#2.2 C4#2.2 ; C6.2 91.25,9.63 v1(91.28,9.6) ; C6.2 C5.2 ; C2.2 103.53,22.1 J2#4.3 v1(107.6,22.1) ; C4#2.2 v1(79.2,12.1) ; C4#2.2 80.22,13.18 v1(80.2,13.2) ; C5.2 91.25,13.08 ; R1#2.2 v1(73.2,17.8) ; D3#2.1 87.03,23.16 v1(86.05,23.16) ; v1(68.6,15.3) 68.8,15.1 68.8,13.39 ; 71.46,22.69 v1(71.45,22.7) ; R2#2.2 v1(71.2,17.8)
  Bottom w0.5: 10.8,78.4 v1(9.8,78.4)
  vias: v1(91.28,13.1)
Board_3-LINE_5V: length 2
  Bottom w0.5: 43,9 v1(42,9) ; TP4.1 v1(66.8,21.4)
Board_3-RAW_5V: length 2
  Bottom w0.5: TP2#2.1 v1(80.9,15.3) ; 79.9,72.3 v1(80.9,72.3)
Board_3-unconnected-(U2-ST-Pad8):
  vias: v1(40.5,49.25) v1(41,50.75) v1(41,47.75) v1(42.5,51.5) v1(42.5,47) v1(44,50.75) v1(44,47.75) v1(44.5,49.25)
Board_3-USB_5V: length 8.9
  Top w0.3: 73.6,12.1 74.4,12.9 J1#4.B4_A9 ; 70.4,12.1 69.6,12.9 J1#4.A4_B9
  Top w0.5: D1#3.2 74.6,15.15 74.4,14.95 74.4,13.39
  Top w0.508: 69.6,13.39 69.6,14.37
  Bottom w0.5: 49.15,25.5 v1(50.25,25.5) ; TP5#2.1 v1(67.25,17.25)

## Copper pours and planes (outline as drawn; the poured copper is in the pictures)
Board_0-+3.3V on Top: 36.55,83.6 51.95,83.6 51.95,79.25 44.95,79.25 44.95,71.25 36.55,71.25
Board_0-+5V on Top: 45.45,70.8 45.45,78.85 51.95,78.85 51.95,64.4 28.9,64.4 28.9,72.2 26.1,72.2 26.1,83.6 36.15,83.6 36.2,76.75 36.2,70.8
Board_0-/AC_L on Bottom, In2.Cu: 32,118.4 46.3,118.4 46.3,102 32,102
Board_0-/AC_N on Bottom, In2.Cu: 24,118.5 24,100 46.3,100 46.3,91 12,91 12,118.5
Board_0-GND on Bottom, In1.Cu, In2.Cu: 54,86 8,86 8,109.8 0.5,109.8 0.5,64.4 54,64.4
Board_0-LINE_5V on Top: 8,102 8,81.05 13.9,81.05 13.9,76.7 0.5,76.7 0.5,102
Board_0-LINE_5V on Top: 14.8,78.75 14.1,78.75 13.55,79.2 13.55,78.05 14.1,78.45 14.8,78.45
Board_0-RAW_5V on Top: 14.1,77.95 14.1,78.25 15,78.25 15,81.1 19,81.1 19,79.85 16.2,79.85 15.6,79.4 15.6,78.25 16.5,78.25 16.5,77.95
Board_0-RAW_5V on Top: 18.5,81.1 25,81.1 25,71.5 28.5,71.5 28.5,64.4 21,64.4 21,79.85 18.5,79.85
Board_0-USB_5V on Top: 9.2,75.98 16.25,75.99 16.75,76.5 16.75,77 20.5,77 20.5,67.97 9.2,67.91
Board_0-USB_5V on Top: 16.75,76.75 16.75,78.75 20.5,78.75 20.5,76.75
Board_1-+3.3V on Top: 93.55,83.6 108.95,83.6 108.95,79.25 101.95,79.25 101.95,71.25 93.55,71.25
Board_1-+5V on Top: 102.45,70.8 102.45,78.85 108.95,78.85 108.95,64.4 85.9,64.4 85.9,72.2 83.1,72.2 83.1,83.6 93.15,83.6 93.2,76.75 93.2,70.8
Board_1-/AC_L on Bottom, In2.Cu: 89,118.4 103.3,118.4 103.3,102 89,102
Board_1-/AC_N on Bottom, In2.Cu: 81,118.5 81,100 103.3,100 103.3,91 69,91 69,118.5
Board_1-GND on Bottom, In1.Cu, In2.Cu: 111,86 65,86 65,109.8 57.5,109.8 57.5,64.4 111,64.4
Board_1-LINE_5V on Top: 71.8,78.75 71.1,78.75 70.55,79.2 70.55,78.05 71.1,78.45 71.8,78.45
Board_1-LINE_5V on Top: 65,102 65,81.05 70.9,81.05 70.9,76.7 57.5,76.7 57.5,102
Board_1-RAW_5V on Top: 71.1,77.95 71.1,78.25 72,78.25 72,81.1 76,81.1 76,79.85 73.2,79.85 72.6,79.4 72.6,78.25 73.5,78.25 73.5,77.95
Board_1-RAW_5V on Top: 75.5,81.1 82,81.1 82,71.5 85.5,71.5 85.5,64.4 78,64.4 78,79.85 75.5,79.85
Board_1-USB_5V on Top: 66.2,75.98 73.25,75.99 73.75,76.5 73.75,77 77.5,77 77.5,67.97 66.2,67.91
Board_1-USB_5V on Top: 73.75,76.75 73.75,78.75 77.5,78.75 77.5,76.75
Board_2-+3.3V on Top: 36.55,26.6 51.95,26.6 51.95,22.25 44.95,22.25 44.95,14.25 36.55,14.25
Board_2-+5V on Top: 45.45,13.8 45.45,21.85 51.95,21.85 51.95,7.4 28.9,7.4 28.9,15.2 26.1,15.2 26.1,26.6 36.15,26.6 36.2,19.75 36.2,13.8
Board_2-/AC_L on Bottom, In2.Cu: 32,61.4 46.3,61.4 46.3,45 32,45
Board_2-/AC_N on Bottom, In2.Cu: 24,61.5 24,43 46.3,43 46.3,34 12,34 12,61.5
Board_2-GND on Bottom, In1.Cu, In2.Cu: 54,29 8,29 8,52.8 0.5,52.8 0.5,7.4 54,7.4
Board_2-LINE_5V on Top: 14.8,21.75 14.1,21.75 13.55,22.2 13.55,21.05 14.1,21.45 14.8,21.45
Board_2-LINE_5V on Top: 8,45 8,24.05 13.9,24.05 13.9,19.7 0.5,19.7 0.5,45
Board_2-RAW_5V on Top: 14.1,20.95 14.1,21.25 15,21.25 15,24.1 19,24.1 19,22.85 16.2,22.85 15.6,22.4 15.6,21.25 16.5,21.25 16.5,20.95
Board_2-RAW_5V on Top: 18.5,24.1 25,24.1 25,14.5 28.5,14.5 28.5,7.4 21,7.4 21,22.85 18.5,22.85
Board_2-USB_5V on Top: 16.75,19.75 16.75,21.75 20.5,21.75 20.5,19.75
Board_2-USB_5V on Top: 9.2,18.98 16.25,18.99 16.75,19.5 16.75,20 20.5,20 20.5,10.97 9.2,10.91
Board_3-+3.3V on Top: 93.55,26.6 108.95,26.6 108.95,22.25 101.95,22.25 101.95,14.25 93.55,14.25
Board_3-+5V on Top: 102.45,13.8 102.45,21.85 108.95,21.85 108.95,7.4 85.9,7.4 85.9,15.2 83.1,15.2 83.1,26.6 93.15,26.6 93.2,19.75 93.2,13.8
Board_3-/AC_L on Bottom, In2.Cu: 89,61.4 103.3,61.4 103.3,45 89,45
Board_3-/AC_N on Bottom, In2.Cu: 81,61.5 81,43 103.3,43 103.3,34 69,34 69,61.5
Board_3-GND on Bottom, In1.Cu, In2.Cu: 111,29 65,29 65,52.8 57.5,52.8 57.5,7.4 111,7.4
Board_3-LINE_5V on Top: 71.8,21.75 71.1,21.75 70.55,22.2 70.55,21.05 71.1,21.45 71.8,21.45
Board_3-LINE_5V on Top: 65,45 65,24.05 70.9,24.05 70.9,19.7 57.5,19.7 57.5,45
Board_3-RAW_5V on Top: 71.1,20.95 71.1,21.25 72,21.25 72,24.1 76,24.1 76,22.85 73.2,22.85 72.6,22.4 72.6,21.25 73.5,21.25 73.5,20.95
Board_3-RAW_5V on Top: 75.5,24.1 82,24.1 82,14.5 85.5,14.5 85.5,7.4 78,7.4 78,22.85 75.5,22.85
Board_3-USB_5V on Top: 66.2,18.98 73.25,18.99 73.75,19.5 73.75,20 77.5,20 77.5,10.97 66.2,10.91
Board_3-USB_5V on Top: 73.75,19.75 73.75,21.75 77.5,21.75 77.5,19.75

Small or netless copper shapes (teardrops, artwork), in the pictures only: 4 on Top

## Text on the board
B.Silkscreen: Aquarius | FNWW
F.Silkscreen: Aquarius Power Module | CRG Makes 2025-05-07 | S/N:
Margin: PREVIEW ONLY. PANEL SAVED IN /Users/tsasala/Development/Aquarius New/module-power-simple/pcb/panel/power-module-simple-panel-2x2.kicad_pcb
